# Altium PCB MotherBoardPCB.PcbDoc
Units mil, origin at the board's own origin, x right, y up, seen from the top; angles counter-clockwise.
Board outline 6324.22 x 4685 mil, 2 copper layers (Top Layer, Bottom Layer); 31 components, 33 nets, 183 pads, 29 vias.
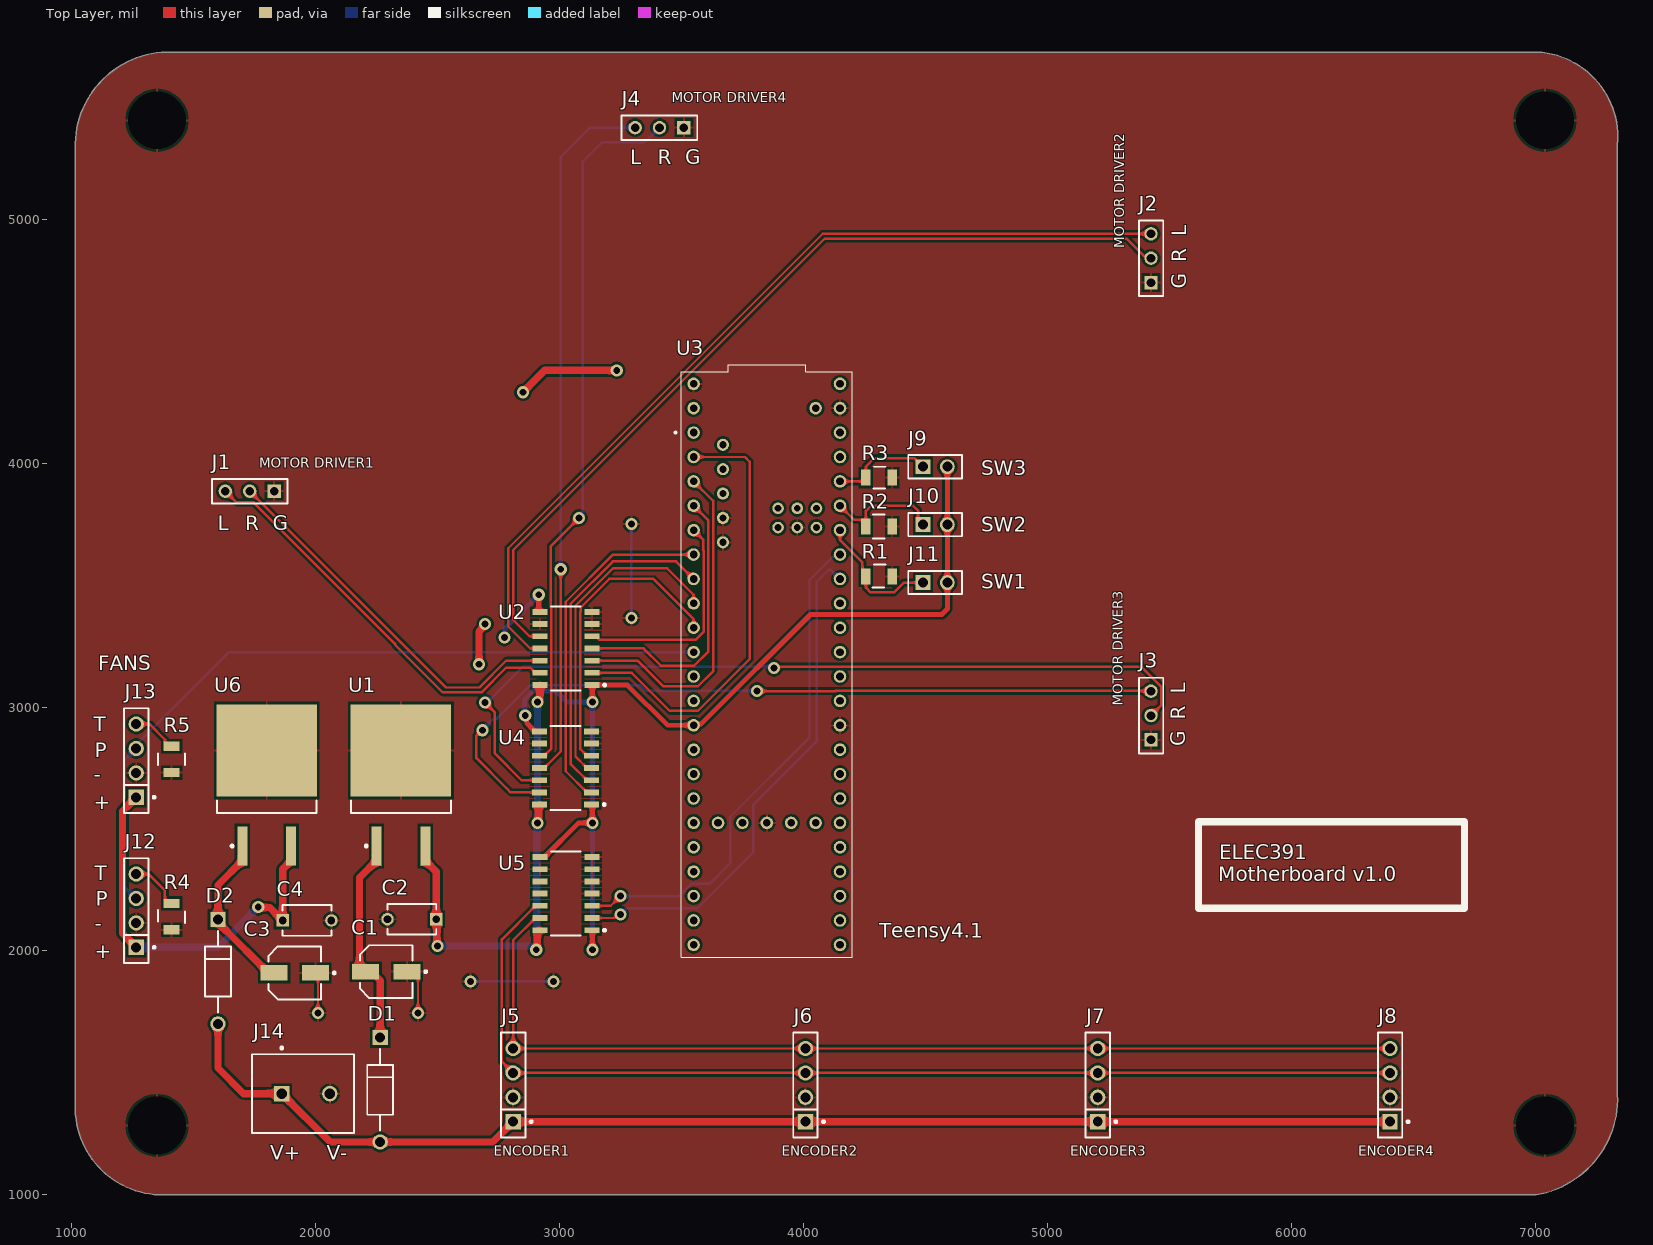
[diagram p0: Top Layer view]
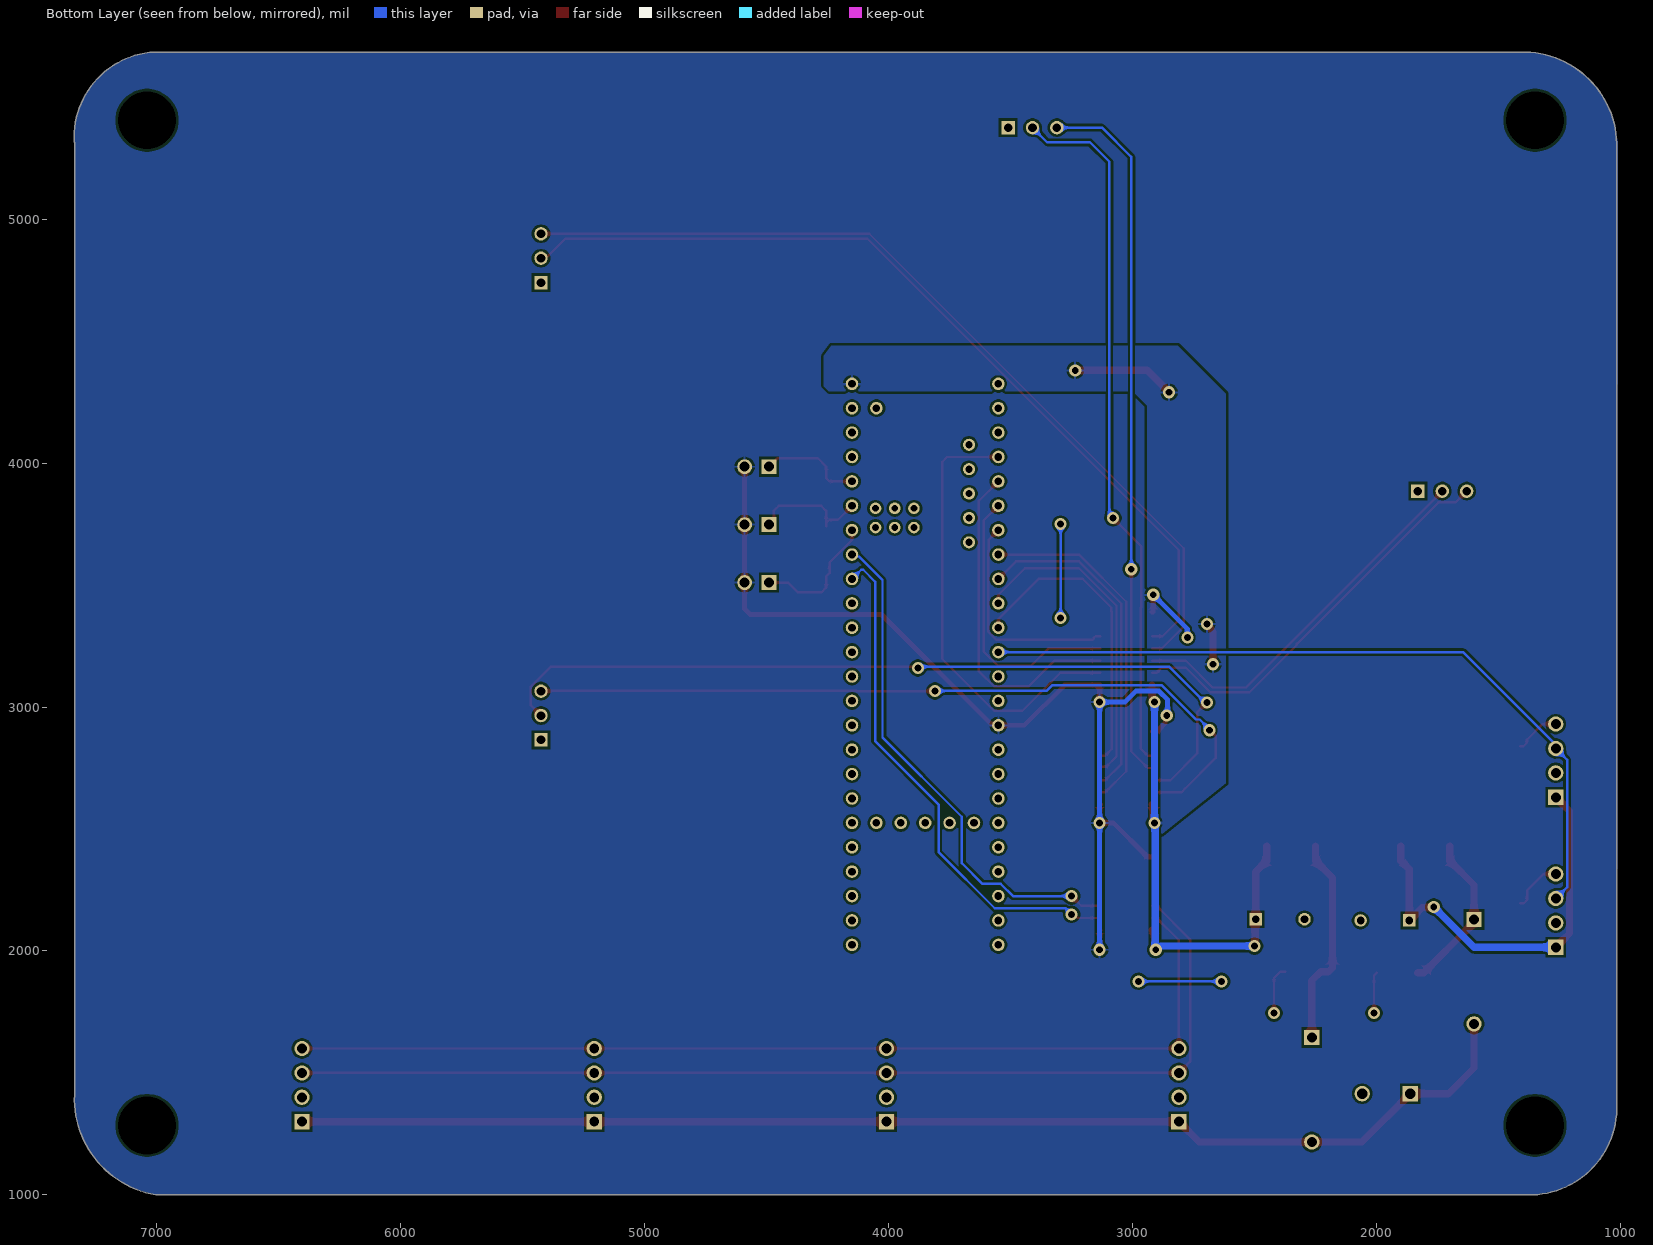
[diagram p1: Bottom Layer view, seen from below]
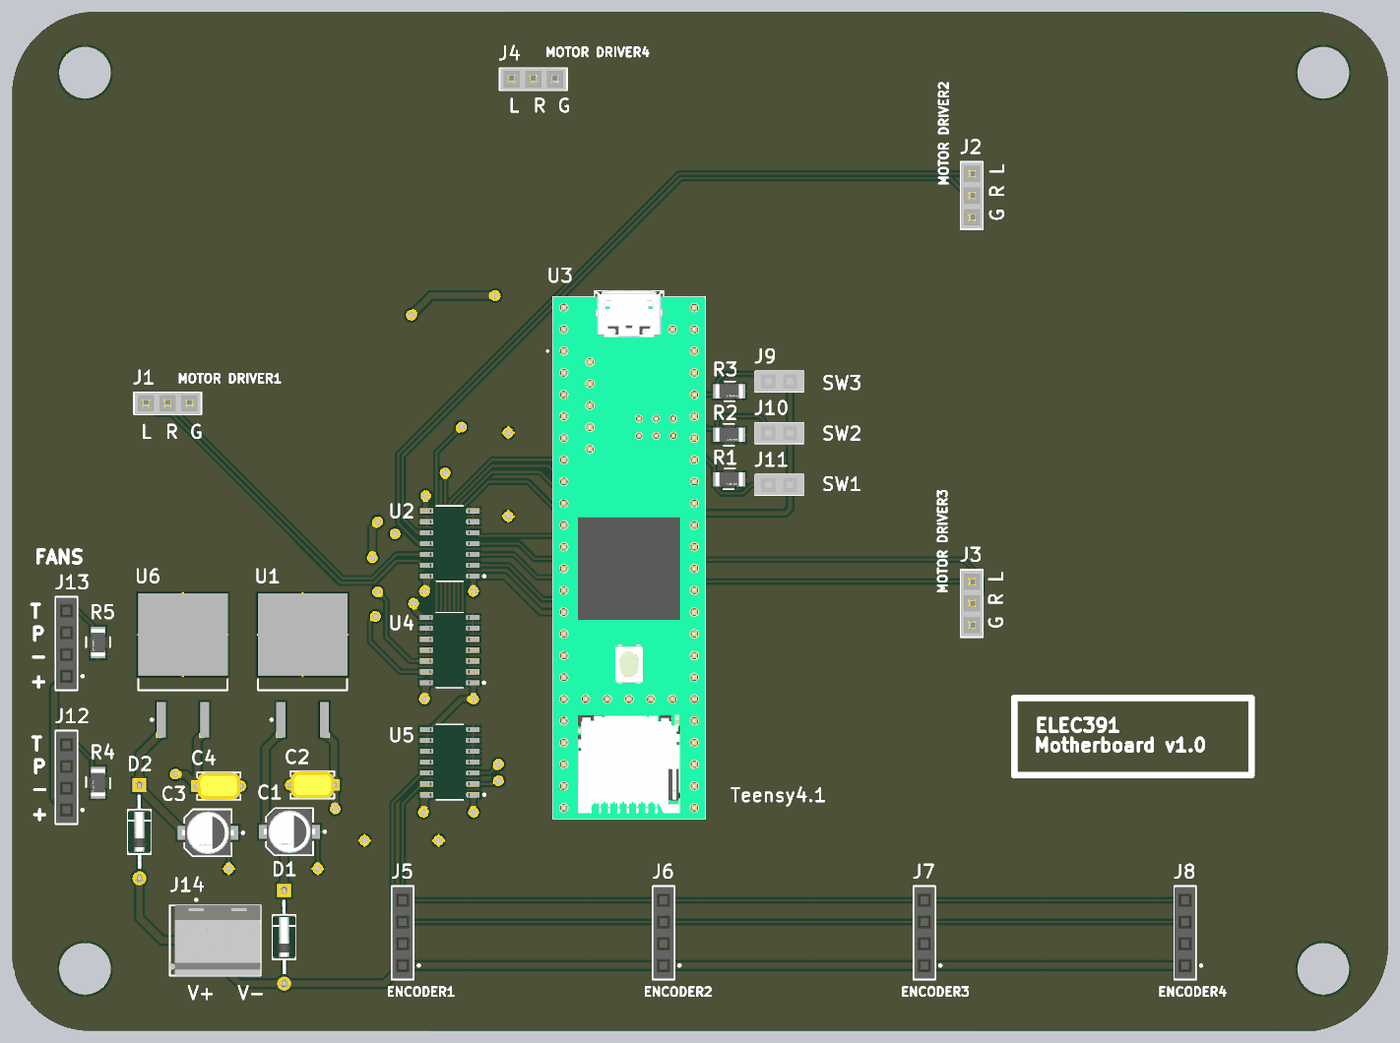
[diagram p2: 3D render of the assembled board from above, using the file's embedded part models]

## Layer stack, top to bottom
Top Solder: solder mask 0.4, Solder Resist, Dk 3.5
Top Layer: signal copper 1.4
Dielectric 1: dielectric 12.6, FR-4, Dk 4.8
Bottom Layer: signal copper 1.4
Bottom Solder: solder mask 0.4, Solder Resist, Dk 3.5

## Board outline
1015,1350 ccw(c1372.5,1357.5) 1380,1000 7003.3,1000.27 ccw(c6937.29,1395.08) 7337.31,1409.98 7337.31,5315 7338.65,5315 ccw(c6988.65,5335) 7008.65,5685 1410,5685 ccw(c1400,5300) 1015,5310

## Design rules (kind name [scope] priority, off if disabled: settings)
Clearance [All] p1: gap=10 ignorepadtopadclearanceinfootprint=FALSE except(0: Arc-Hole Track-Hole SMDPad-Hole THPad-Hole Via-Hole Fill-Hole Poly-Hole Region-Hole Text-Hole)
HoleSize [All] p1: absolutevalues=TRUE maxlimit=500 minlimit=1 maxpercent=80.000 minpercent=20.000
PolygonConnect [All] p1: connectstyle=Relief reliefconductorwidth=10 reliefentries=4 polygonreliefangle="90 Angle" airgapwidth=10
RoutingVias [All] p1: holewidth=28 width=50 viastyle="Through Hole" minholewidth=28 minwidth=50 maxholewidth=28 maxwidth=50
SolderMaskExpansion [All] p1: expansion=4 istentingtop=FALSE
Width Width_1 [InNet('3V3')] p1: maxlimit=50 minlimit=10 preferedwidth=20
Width Width_130milRule [(InNet('Vin') OR InNet('NetC3_2') OR InNet('NetC1_2') OR InNet('5Vin') OR InNet('12Vin'))] p2: maxlimit=100 minlimit=10 preferedwidth=30 minimp=50.000000 maximp=50.000000 favimp=50.000000
Width [All] p3: maxlimit=10 minlimit=10 preferedwidth=10
29 further rules are at their usual default settings.

## Components (designator, comment, footprint, x,y, rotation, side; value= is the part's Value field where it differs from the comment)
C1 "10uF" FP-FKC-MFG 2290,1915 r180 top
C2 "0.1uF" FP-C322C104K5R5TA-MFG 2395,2130 r180 top
C3 "10uF" FP-FKC-MFG 1915,1910 r180 top
C4 "0.1uF" FP-C322C104K5R5TA-MFG 1965,2125 r0 top
D1 "Diode" FP-UF4007-MFG 2265,1430.91 r270 top value=17pF
D2 "Diode" FP-UF4007-MFG 1600,1915 r270 top value=17pF
J1 "Motor1" SMTC-BCS-103-X-S-TE 1830,3885 r180 top
J2 "Motor2" SMTC-BCS-103-X-S-TE 5425,4740 r90 top
J3 "Motor3" SMTC-BCS-103-X-S-TE 5425,2865 r90 top
J4 "Motor4" SMTC-BCS-103-X-S-TE 3510,5375 r180 top
J5 "Encoder1" FP-SSW-104-01-G-S-003-MFG 2810,1450 r90 top
J6 "Encoder2" FP-SSW-104-01-G-S-003-MFG 4008.33,1450 r90 top
J7 "Encoder3" FP-SSW-104-01-G-S-003-MFG 5206.67,1450 r90 top
J8 "Encoder4" FP-SSW-104-01-G-S-003-MFG 6405,1450 r90 top
J9 "LimitSwitch3" SMTC-SSW-102-02-X-S 4490,3985 r0 top
J10 "LimitSwitch2" SMTC-SSW-102-02-X-S 4490,3747.5 r0 top
J11 "LimitSwitch1" SMTC-SSW-102-02-X-S 4490,3510 r0 top
J12 "Fan1" FP-SSW-104-01-G-S-003-MFG 1265,2165 r90 top
J13 "Fan2" FP-SSW-104-01-G-S-003-MFG 1265,2780 r90 top
J14 "282836-2" TECO-282836-2_V 1960,1415 r0 top
R1 "10K" FP-RC3216-IPC_C 4310,3535 r0 top
R2 "10K" FP-RC3216-IPC_C 4310,3740 r0 top
R3 "10K" FP-RC3216-IPC_C 4310,3940 r0 top
R4 "10K" FP-RC3216-IPC_C 1410,2140.84 r270 top
R5 "10K" FP-RC3216-IPC_C 1410,2785 r270 top
U1 "L7805" TO-263_M 2350,2680 r90 top
U2 "TXB0104DR" FP-D0014A-MFG 3026.3,3240 r180 top
U3 "Teensy 4.1" MODULE_DEV-16771 3850,3175 r270 top
U4 "TXB0104DR" FP-D0014A-MFG 3025,2750 r180 top
U5 "TXB0104DR" FP-D0014A-MFG 3026.3,2235 r180 top
U6 "L7812ACD2T-TR" TO-263_M 1800,2680 r90 top

## Footprints (in the part's own frame and the unit in brackets; to place one, negate y for a bottom-side part, rotate by r counter-clockwise, add the part's x,y. Pads: shape width x height; smd on the part's side, far side on the other; paste and mask are expansions set on the pad)
FP-C322C104K5R5TA-MFG [mm]
  rect 1.3x1.3 hole 0.8 paste-1000 mask+0: 1(-2.54,0)
  round 1.3 hole 0.8 paste-1000 mask+0: 2(2.54,0)
  silkscreen extent -2.54,-1.59 2.54,1.59, body extent -3.29,-1.69 3.29,1.69, height 0.25
FP-D0014A-MFG [mm]
  rect 1.55x0.6 smd paste-1000 mask+0: 1(-2.7,3.81) 2(-2.7,2.54) 3(-2.7,1.27) 4(-2.7,0) 5(-2.7,-1.27) 6(-2.7,-2.54) 7(-2.7,-3.81) 8(2.7,-3.81) 9(2.7,-2.54) 10(2.7,-1.27) 11(2.7,0) 12(2.7,1.27) 13(2.7,2.54) 14(2.7,3.81)
  silkscreen extent -4.15,-4.38 1.55,4.38, body extent -3.57,-4.62 3.57,4.62, height 0.25
FP-FKC-MFG [mm]
  rect 2.8x1.6 smd paste+0 mask+0: 1(-2.15,0) 2(2.15,0)
  silkscreen extent -4.23,-2.75 2.75,2.75, body extent -3.8,-3 3.8,3, height 0.25
FP-RC3216-IPC_C [mil]
  rect 37.59x65.28 smd paste+0 mask+0: 1(-54.16,0) 2(54.16,0)
  silkscreen extent -27,-45 27,50, body extent -77,-38 77,38, height 10
FP-SSW-104-01-G-S-003-MFG [mm]
  rect 1.59x1.59 hole 1.04 paste-1000 mask+0: 1(-3.81,0)
  round 1.59 hole 1.04 paste-1000 mask+0: 2(-1.27,0) 3(1.27,0) 4(3.81,0)
  silkscreen extent -5.46,-2 5.46,1.27, body extent -5.56,-1.37 5.56,1.37, height 0.25
FP-UF4007-MFG [mm]
  rect 1.6x1.6 hole 1.05 paste-1000 mask+0: 1(-5.438,0)
  round 1.6 hole 1.05 paste-1000 mask+0: 2(5.438,0)
  silkscreen extent -4.24,-1.35 4.24,1.35, body extent -6.34,-1.45 6.34,1.45, height 0.25
MODULE_DEV-16771 [mm]
  round 1.308 hole 0.8: 0(-26.67,-7.62) 1(-24.13,-7.62) 2(-21.59,-7.62) 3(-19.05,-7.62) 3.3V_1(6.35,-7.62) 3.3V_2(-24.13,7.62) 3.3V_3(16.51,-2.54) 4(-16.51,-7.62) 5(-13.97,-7.62) 6(-11.43,-7.62) 7(-8.89,-7.62) 8(-6.35,-7.62) 9(-3.81,-7.62) 10(-1.27,-7.62) 11(1.27,-7.62) 12(3.81,-7.62) 13(3.81,7.62) 14(1.27,7.62) 15(-1.27,7.62) 16(-3.81,7.62) 17(-6.35,7.62) 18(-8.89,7.62) 19(-11.43,7.62) 20(-13.97,7.62) 21(-16.51,7.62) 22(-19.05,7.62) 23(-21.59,7.62) 24(8.89,-7.62) 25(11.43,-7.62) 26(13.97,-7.62) 27(16.51,-7.62) 28(19.05,-7.62) 29(21.59,-7.62) 30(24.13,-7.62) 31(26.67,-7.62) 32(29.21,-7.62) 33(29.21,7.62) 34(26.67,7.62) 35(24.13,7.62) 36(21.59,7.62) 37(19.05,7.62) 38(16.51,7.62) 39(13.97,7.62) 40(11.43,7.62) 41(8.89,7.62) GND1(-29.21,-7.62) GND2(6.35,7.62) GND3(-26.67,7.62) GND4(16.51,0) ON/OFF(16.51,5.08) PROGRAM(16.51,2.54) VBAT(16.51,-5.08) VIN(-29.21,7.62) VUSB(-26.67,5.08)
  round 1.258 hole 0.75: 5V(-22.86,-4.57) D+(-17.78,-4.57) D-(-20.32,-4.57) USB_GND1(-15.24,-4.57) USB_GND2(-12.7,-4.57)
  round 1.208 hole 0.7: GND5(-14.24,3.17) LED(-16.24,3.17) R+(-16.24,5.17) R-(-14.24,5.17) T+(-14.24,1.17) T-(-16.24,1.17)
  silkscreen extent -31.18,-9.6 30.48,8.89, body extent -31.18,-8.89 30.48,8.89, height 7.15
SMTC-BCS-103-X-S-TE [mm] "Box Connector Socket Strip, 1x3 Pins, Vertical, 2.54mm Pitch, Female"
  rect 1.4x1.4 hole 0.89: 1(0,0)
  round 1.4 hole 0.89: 2(2.54,0) 3(5.08,0)
  silkscreen extent -1.4,-1.27 6.48,1.27, body extent -1.27,-1.27 6.35,1.27, height 7.37
SMTC-SSW-102-02-X-S [mm] "SQ Post Socket, 1x2 Pins, Vertical, 2.54mm Pitch, Female"
  rect 1.55x1.55 hole 1.04: 1(0,0)
  round 1.55 hole 1.04: 2(2.54,0)
  silkscreen extent -1.53,-1.2 4.07,1.2, body extent -1.52,-1.21 4.06,1.21, height 8.51
TECO-282836-2_V [mm] "Female Header, Pitch 5mm, 1 x 2 Position, Height 10mm"
  rect 1.6x1.6 hole 1.1: 1(-2.5,0)
  round 1.6 hole 1.1: 2(2.5,0)
  silkscreen extent -5.6,-4.1 5,4.87, body extent -5.6,-4.1 5,4.1, height 10
TO-263_M [mm] "D2-PAK, 4-Leads, Body 9.2x10.2mm, Pitch 2.54mm, Lead Span 15.4mm, IPC Low Density"
  rect 4.1x1.05 smd: 1(-6.35,2.54) 3(-6.35,-2.54)
  rect 9.6x10.45 smd: 4(3.6,0)
  silkscreen extent -6.47,-5.2 -1.6,5.2, body extent -2.9,-5.2 6.45,5.2, height 4.6

## Part data
C1 C3: library part CMP-05427-000030-1, "CAP ALUM 10UF 20% 50V SMD", Case/Package=Radial, Dielectric Material=Aluminium, ESR (Equivalent Series Resistance)=1.52R, Leakage Current=3uA, Max Operating Temperature=105°C, Min Operating Temperature=-55°C, Package Quantity=1000, Ripple Current=85mA, Tolerance=20%, Voltage=50V, Capacitance=10uF, Construction=Cylindrical, Contact Plating=Tin, Diameter=5mm, Height=5.8mm, Height - Seated (Max)=0.228inch, Impedance=1.52R, Lead Free="Lead Free", Length=5.8mm, Life (Hours)=2000Hour, Material=Aluminium, Mount="Surface Mount", Number of Pins=2, Packaging="Tape and Reel", Radiation Hardening=No, REACH SVHC="No SVHC", Ripple Current (AC)=85mA, RoHS Compliant=Yes, Series=FK, Termination=SMD/SMT, Voltage Rating=50V, Voltage Rating (DC)=50V, Width=6.5mm
C2 C4: library part CMP-03020-034661-1, "CAP CER 0.1UF 50V X7R RADIAL", Capacitance=100nF, Case/Package=Radial, Dielectric=X7R, Dielectric Material=Ceramic, Max Operating Temperature=125°C, Min Operating Temperature=-55°C, Package Quantity=500, Tolerance=10%, Voltage=50V, Construction=RADIAL, Depth=3.18mm, Dissipation Factor=2.5%, Height=3.18mm, Height - Seated (Max)=0.26inch, Lead Diameter=0.51mm, Lead Free="Lead Free", Lead Length=7mm, Lead Pitch=5.08mm, Lead/Base Style="Formed Leads", Length=5.08mm, Material=Ceramic, Mount="Through Hole", Number of Pins=2, Packaging=Bulk, Radiation Hardening=No, REACH SVHC="No SVHC", RoHS Compliant=Yes, Series="Golden Max™", Termination=Radial, Voltage Rating=50V, Voltage Rating (DC)=50V, Weight=0.0625lb, Width=0.125inch
D1 D2: library part CMP-02540-000043-1, "DIODE GEN PURP 1KV 1A DO204AL", Capacitance=17pF, Forward Current=1A, Manufacturer=Vishay, Manufacturer Part Number=UF4007-E3/54, Max Junction Temp=+150°C, Max Repetitive Reverse Voltage=1000V, Max Surge Forward Current=30A, Package=UF4007, Peak Reverse Current=10uA, Temperature="-55°C to +150°C", Temperature Range Low=-55°C, Automotive=No, Category=Diode, ComponentLink2Description=Datasheet, ComponentLink2URL=http://www.vishay.com/docs/88755/uf4001.pdf, Device Class L1="Discrete Semiconductors", Device Class L2=Diodes, Device Class L3="Rectifier Diodes", Digikey Description="DIODE GEN PURP 1KV 1A DO204AL", Height=2.7mm, Ipc Land Pattern Name=DIOPA1088W105L520D270, Lead Free=Yes, Mouser Description="Rectifiers Vr/1000V Io/1A", Octopart=https://octopart.com/uf4007-e3%2F54-vishay-42333894, RoHS=TRUE, Temperature Range High=+150°C
J1 J2 J3 J4: library part CMP-1023-00006-1, "Tiger Claw(TM) Pass-Through Socket, Vertical, -55 to 125 degC, 2.54 mm Pitch, 3-Pin, Female, RoHS", Manufacturer=Samtec, PartNumber=BCS-103-F-S-TE, Temperature Range="-55 to 125 degC", ComponentLink1Description="Manufacturer URL", ComponentLink1URL=http://www.samtec.com, ComponentLink2Description=Datasheet, ComponentLink2URL=http://www.samtec.com/documents/webfiles/pdf/BCS.PDF, ComponentLink3Description="Package Specification", ComponentLink3URL=http://www.samtec.com/documents/webfiles/cpdf/BCS-1XX-XXX-X-XX-XXX-MKT.pdf, DatasheetVersion=F-214, Mounting Technology=Through-hole, Orientation=Vertical, PackageDescription="Box Connector Socket Strip", PackageReference=BCS-103-X-S-TE, PackageVersion="BV, 9/1991", Pitch="2.54 mm", RoHS=True
J5 J6 J7 J8 J12 J13: library part CMP-02766-000072-1, "CONN RCPT 4POS 0.1 GOLD PCB", Current Rating=4.7A, Manufacturer=Samtec, Manufacturer Part Number=SSW-104-01-G-S-003, Package=0, Temperature="-55°C to +125°C", Temperature Range High=+125°C, Temperature Range Low=-55°C, Voltage Rating=655V, Automotive=No, Category=Conn, ComponentLink2Description=Datasheet, ComponentLink2URL=http://suddendocs.samtec.com/catalog_english/ssw_th.pdf, Conn Gender=Female, Conn Orientation=Vertical, Contact Material=Gold,Nickel, Device Class L1=Connectors, Device Class L2="Headers and Wire Housings", Device Class L3=unset, Digikey Description="CONN RCPT 4POS 0.1 GOLD PCB", Footprint Url=http://suddendocs.samtec.com/prints/ssw-s.pdf, Height=8.64mm, Is Female=yes, Lead Free=Yes, Number of Contacts=4, Number of Rows=1, Octopart=https://octopart.com/ssw-104-01-g-s-003-samtec-17456976, Pitch=2.54mm, RoHS=TRUE
J9 J10 J11: library part CMP-1023-00323-1, "SQ Post Socket, Through-hole, Vertical, -55 to 105 degC, 2.54 mm Pitch, 2-Pin, Female, RoHS", Manufacturer=Samtec, PartNumber=SSW-102-02-T-S, Temperature Range="-55 to 105 degC", ComponentLink1Description="Manufacturer URL", ComponentLink1URL=http://www.samtec.com, ComponentLink2Description=Datasheet, ComponentLink2URL=http://www.samtec.com/documents/webfiles/pdf/SSW_TH.PDF, ComponentLink3Description="Package Specification", ComponentLink3URL=http://www.samtec.com/documents/webfiles/cpdf/SSW-1XX-XX-XXX-X-XX-XXX-XX-MKT.pdf, DatasheetVersion=F-214, Mounting Technology=Through-hole, Orientation=Vertical, PackageDescription="Assembly, Socket Strip .016 X .031 Tail", PackageReference=SSW-102-02-X-S, PackageVersion="CA, 6/1987", Pitch="2.54 mm", RoHS=True
J14: library part CMP-1684-00017-1, "Female Header, Pitch 5 mm, 1 x 2 Position, Height 10 mm, Tail Length 3.5 mm, Rohs, Bulk", Color=Green, Current=13.5A, Manufacturer="TE Connectivity", Package Description="Female Header, Pitch 5 mm, 1 x 2 Position, Height 10 mm, Tail Length 3.5 mm", Package Reference=THD, Standard Package=300, Voltage=300V, 3D Model=282836-2.pdf, Category=Connectors,Interconnects, Clamp Material - Plating=Brass-NickelPlated, Contact Material - Plating=Brass-TinPlated, Datasheet URL=http://www.te.com.cn/commerce/DocumentDelivery/DDEController?Action=showdoc&DocId=Catalog+Section%7F1308389_EUROSTYLE_TERMINAL_BLOCKS%7F0607%7Fpdf%7FEnglish%7FENG_CS_1308389_EUROSTYLE_TERMINAL_BLOCKS_0607.pdf%7F282836-2, Dynamic Catalog=BuchananSeries, Family=TerminalBlocks-WiretoBoard, Featured Product=EurostyleTerminalBlockConnectors, Features=Interlocking(Side), Housing Material=Polyamide(PA66),Nylon6/6, Manufacturer URL=http://www.te.com, Mating Orientation=HorizontalwithBoard, Mounting Type=ThroughHole, Number of Levels=1, Other Names="5ULV-02B / A98076", Packaging=Bulk, Pitch="0.197\"(5.00mm)", Positions Per Level=2, Product Training Modules=Wire-to-BoardEurostyleTerminalBlocks, RoHS Information=282836-2StatementofCompliance, Screw Material - Plating=Brass-NickelPlated, Screw Thread=M3, Series=Buchanan, Torque - Screw=0.68Nm(6Lb-In), Wire Gauge=16-30AWG, Wire Termination=Screw-RisingCageClamp
R1 R2 R3 R4 R5: library part CMP-13261-005388-1, "Res Thick Film 1206 10kΩ 5% 0.25W ±100ppm/°C Molded SMD T/R", Case Code (Imperial)=1206, Case Code (Metric)=3216, Max Operating Temperature=155°C, Max Power Dissipation=250mW, Min Operating Temperature=-55°C, Resistance=10kR, Temperature Coefficient=100ppm/°C, Tolerance=5%, Voltage Rating (DC)=200V, Case/Package=1206, Composition="Thick Film", Contact Plating=Tin, Depth=1.6mm, Features="Moisture Resistant", Height=0.026inch, Lead Free="Lead Free", Length=0.126inch, Military Standard=Not, Number of Terminations=2, Packaging="Tape and Reel", Radiation Hardening=No, Width=0.063inch
U1: library part CMP-0244-00213-1, "Positive Voltage Regulator, 3-Pin D2PAK, Tape and Reel", ComponentLink1Description="Manufacturer URL", ComponentLink1URL=http://www.st.com, ComponentLink2Description=Datasheet, ComponentLink2URL=http://www.st.com/internet/com/TECHNICAL_RESOURCES/TECHNICAL_LITERATURE/DATASHEET/CD00000444.pdf, DatasheetVersion=16/11/2011, PackageDescription="3-Pin Transistor Outline Package 2.54 mm Pitch, 15.4 mm Lead Span (D2PAK)", PackageReference=TO-263, PackageVersion=2011
U2 U4 U5: library part CMP-04899-000021-1, "IC TRNSLTR BIDIRECTIONAL 14SOIC", Ambient Temperature Range High=+85°C, Ambient Temperature Range Low=-40°C, Manufacturer="Texas Instruments", Max Junction Temp=+150°C, Max Supply Voltage=5.5V, Min Supply Voltage=1.2V, Nominal Supply Current=3.5uA, Package=D0014A, Temperature="-40°C to +85°C", Automotive=No, Category=IC, ComponentLink2Description=Datasheet, ComponentLink2URL=http://www.ti.com/lit/ds/symlink/txb0104.pdf, Data Rate=100Mbits/s, Device Class L1="Integrated Circuits (ICs)", Device Class L2="Logic ICs", Device Class L3="Voltage Level Shifters", Digikey Description="IC TRNSLTR BIDIRECTIONAL 14SOIC", Height=1.75mm, Lead Free=Yes, Manufacturer Part Number=TXB0104DR, Mouser Description="Translation - Voltage Levels 4-Bit Bi-directional V-Level Translator", Number Of Circuits=4, Number Of Inputs=1, Number Of Outputs=1, Octopart=https://octopart.com/txb0104dr-texas+instruments-5447502, Propagation Delay=4ns, RoHS=TRUE, Standoff Height=0.1mm, Temperature Range High=+85°C, Temperature Range Low=-40°C, V A Max=3.6V, V A Min=1.2V, V B Max=5.5V, V B Min=1.65V
U3: library part DEV-16771, "RT1062 Teensy 4.1 i.MX ARM Cortex-M7 MPU Embedded Evaluation Board", Package=None, Availability=Unavailable, MF="{'manufacturer': u'SparkFun Electronics'}", MP=DEV-16771, Price=None
U6: library part CMP-0244-00180-1, "Positive Voltage Regulator, 3-Pin D2PAK, Tape and Reel", ComponentLink1Description="Manufacturer URL", ComponentLink1URL=http://www.st.com, ComponentLink2Description=Datasheet, ComponentLink2URL=http://www.st.com/internet/com/TECHNICAL_RESOURCES/TECHNICAL_LITERATURE/DATASHEET/CD00000444.pdf, DatasheetVersion=16/11/2011, PackageDescription="3-Pin Transistor Outline Package 2.54 mm Pitch, 15.4 mm Lead Span (D2PAK)", PackageReference=TO-263, PackageVersion=2011

## Free pads (board coordinates)
  round 60 hole 237: 2(1350,1285) 2(1350,5405) 2(7040,1285) 2(7040,5405)

## Via types
v1: diameter 50, hole 28, Top Layer to Bottom Layer, 29 vias

## Nets (pads, with @x,y where several pads share a name; then routed paths per layer and width w, separated by ;. In a path a pad name is that pad's centre, name@x,y a point inside that pad or via, vN(x,y) a via of type N, cw(c..) or ccw(c..) an arc to the next point about the centre after c; other vN are vias at no path point)
3V3: J9.2 J10.2 J11.2 U2.1 U2.8 U3.3.3V_1 U4.1 U4.8 U5.1 U5.8 | length 4614.7
  Top Layer w20: v1(2860,2965) 2865.74,2959.26 2865.74,2934.26 2900,2900 U4.8 ; U5.8@2915,2385 U5.8 2938.7,2385 3078.7,2525 v1(3135,2525) 3135,2598.19 3133.19,2600 U4.1 ; v1(2915,3460) 2915,3391.81 2916.81,3390 U2.8 ; U5.1 3133.19,2085 3135,2083.19 v1(3135,2005) ; U2.1 U2.1@3133.19,3090 ; v1(3135,3020) 3135,3088.19 U2.1@3133.19,3090 ; J9.2 J10.2 J11.2 4590,3401.72 4567.54,3379.25 4029.25,3379.25 3581.03,2931.03 3556.03,2931.03 U3.3.3V_1 3443.24,2925 3278.24,3090 U2.1@3133.19,3090
  Bottom Layer w20: v1(2775,3285) 2775,3320 v1(2915,3460) ; v1(2860,2965) 2856.36,2968.64 2856.36,3030 2891.36,3065 2986.62,3065 3031.62,3020 v1(3135,3020) v1(3135,2525) v1(3135,2005)
5Vin: C2.1 U1.3 U2.14 U3.VIN U4.14 U5.14 | length 2678.5
  Top Layer w30: U1.3 2450,2369.96 2495,2324.96 C2.1 2497.5,2127.5 2497.5,2022.5 v1(2500,2020) ; v1(2670,3175) 2670,3309.59 2695,3334.59 v1(2695,3340) ; v1(2850,4290) 2940,4380 v1(3235,4380) ; v1(2905,2005) 2908.83,2008.83 2908.83,2081.81 2912.02,2085 U5.14 ; v1(2910,2525) 2910,2530 2913.83,2533.83 2913.83,2596.81 2917.02,2600 U4.14 ; v1(2910,3020) 2910,3025.41 2920,3035.41 U2.14
  Bottom Layer w30: v1(2500,2020) 2884.59,2020 ; v1(2905,2005) 2902.29,2005 2907.5,2010.21 2907.5,2522.5 v1(2910,2525) v1(2910,3020)
12Vin: C4.1 J12.1 J13.1 U6.3 | length 1672.3
  Top Layer w30: J12.1 1208.7,2071.3 1208.7,2573.7 J13.1 ; v1(1765,2180) 1766.98,2178.02 1811.98,2178.02 C4.1 1865,2334.96 1900,2369.96 U6.3
  Bottom Layer w30: J12.1 1600,2015 v1(1765,2180)
FanPWM: J12.3 J13.3 U3.10 | length 3110.8
  Bottom Layer w10: J12.3 1218.7,2261.3 1218.7,2783.7 J13.3 1265,2844.23 1280.24,2859.47 1280.24,2860.24 1645,3225 U3.10
GND: C1.1 C2.2 C3.1 C4.2 J1.1 J2.1 J3.1 J4.1 J5.2 J6.2 J7.2 J8.2 J12.2 J13.2 J14.2 pad.2 R1.2 R2.2 R3.2 R4.2 R5.2 U1.4 U2.6 U2.7 U2.9 U3.GND1 U3.GND2 U3.GND3 U3.GND4 U3.GND5 U3.USB_GND1 U3.USB_GND2 U4.6 U4.7 U4.9 U5.4 U5.5 U5.6 U5.7 U5.9 U6.4 | length 1094.1
  Top Layer w10: C3.1 2010,1899.65 v1(2010,1745) ; C1.1 2393.5,1915 2420,1888.5 v1(2420,1745)
  Bottom Layer w10: v1(2635,1875) v1(2975,1875) ; v1(3295,3365) v1(3295,3750)
M1Lin: U2.2 U3.2 | length 1846.1
  Top Layer w10: U2.2 3296.48,3140 3452.23,2984.25 3566.88,2984.25 3780,3197.37 3780,4005 3760,4025 U3.2
M1Lout: J1.3 U2.13 | length 1684.1
  Top Layer w10: J1.3 1676,3839 1746,3839 2326.32,3258.68 2326.32,3255.4 2521.72,3060 2680,3060 2780.95,3160.95 2880.35,3160.95 2901.3,3140 U2.13
M1Rin: U2.3 U3.3 | length 1378.7
  Top Layer w10: U2.3 3320.36,3190 3426.1,3084.25 3566.88,3084.25 3630.75,3148.12 3630.75,3658.1 3630.31,3658.53 3630.31,3844.69 U3.3
M1Rout: J1.2 U2.12 | length 1571.9
  Top Layer w10: J1.2 1730,3880 1735,3880 2535,3080 2671.72,3080 2781.72,3190 U2.12
M2Lin: U2.4 U3.4 | length 1153.3
  Top Layer w10: U2.4 3345,3240 3415,3170 3552.63,3170 3610.75,3228.12 3610.75,3649.81 3610.31,3650.25 3610.31,3764.69 U3.4
M2Lout: J2.3 U2.11 | length 3657.1
  Top Layer w10: U2.11 2880,3240 2790,3330 2790,3650.91 4079.09,4940 J2.3
M2Rin: U2.5 U3.5 | length 913
  Top Layer w10: U2.5 3151.3,3290 3158.11,3283.19 3158.11,3281.03 3163.97,3275.17 3557.8,3275.17 3590.75,3308.12 3590.75,3641.53 3590.31,3641.96 3590.31,3684.69 U3.5
M2Rout: J2.2 U2.10 | length 3600.1
  Top Layer w10: U2.10 2877.82,3290 2810,3357.82 2810,3642.63 4087.37,4920 5322.21,4920 5325.14,4920 5396.51,4848.63 5416.37,4848.63 J2.2
M3Lin: U3.6 U4.2 | length 1440.6
  Top Layer w10: U4.2 3112.6,2650 3025.79,2736.81 3025.79,3431.58 3219.21,3625 U3.6
M3Lout: J3.3 U4.13 | length 3284.2
  Top Layer w10: v1(2685,2905) 2682.19,2905 2659.45,2882.26 2659.45,2790.55 2785.94,2664.06 2799.89,2650.11 2818.64,2650.11 2818.75,2650 U4.13 ; v1(3810,3065.75) 3805.75,3065.75 3805,3065 4132.37,3065 4133.12,3065.75 5424.25,3065.75 J3.3
  Bottom Layer w10: v1(2685,2905) 2685,2909.18 2724.64,2948.82 2739.82,2948.82 2881.01,3090 3327.96,3090 3352.22,3065.75 v1(3810,3065.75)
M3Rin: U3.7 U4.3 | length 1375.4
  Top Layer w10: U4.3 3112.6,2700 3045.79,2766.81 3045.79,3423.29 3219.21,3596.72 3478.28,3596.72 U3.7
M3Rout: J3.2 U4.12 | length 3462.7
  Top Layer w10: v1(2694.71,3018.48) 2735,2978.18 2735,2810 2845,2700 U4.12 ; v1(3880,3160) 3900,3160 3905.75,3165.75 5384.44,3165.75 5467.56,3082.63 5467.56,3007.56 J3.2
  Bottom Layer w10: v1(2694.71,3018.48) 2703.48,3018.48 2850.75,3165.75 3874.25,3165.75 v1(3880,3160)
M4Lin: U3.8 U4.4 | length 1333.3
  Top Layer w10: U4.4 3131.3,2753.7 3130,2755 3107.6,2755 3065.79,2796.81 3065.79,3415.01 3219.68,3568.9 3441.1,3568.9 3550,3460 U3.8
M4Lout: J4.3 U4.11 | length 2911.9
  Top Layer w10: U4.11@2920,2745 2918.7,2746.3 U4.11 2937.4,2750 3005,2817.6 v1(3005,3565)
  Bottom Layer w10: v1(3005,3565) 3005,5255 3125,5375 J4.3
M4Rin: U3.9 U4.5 | length 1253.1
  Top Layer w10: U4.5 3112.6,2800 3085.79,2826.81 3085.79,3390.79 3087.09,3392.09 3087.09,3408.02 3204.06,3525 3385,3525 3549.46,3360.54 3549.46,3325.54 U3.9
M4Rout: J4.2 U4.10 | length 2892.4
  Top Layer w10: U4.10 2937.4,2800 2965.51,2828.11 2965.51,3408.02 2965,3408.54 2965,3660 v1(3080,3775)
  Bottom Layer w10: v1(3080,3775) 3080,3780 3095,3795 3095,5235 3175,5315 3350,5315 J4.2
NetC1_2: C1.2 D1.1 U1.1 | length 868.2
  Top Layer w30: U1.1 2250,2369.96 2180,2299.96 2180,1931.5 2196.5,1915 C1.2 2228.98,1915 2265,1878.98 D1.1
NetC3_2: C3.2 D2.1 U6.1 | length 670.7
  Top Layer w30: U6.1 1700,2369.96 1600,2269.96 D2.1 1616.5,2112.6 1616.5,2100.24 1806.73,1910 C3.2
NetJ12_4: J12.4 R4.1 | length 217.5
  Top Layer w10: J12.4 1315,2315 1382.36,2247.64 1382.36,2208.8 1396.16,2195 R4.1
NetJ13_4: J13.4 R5.1 | length 190
  Top Layer w10: J13.4 1319.16,2930 1383.67,2865.49 1383.67,2852.96 1397.47,2839.16 R5.1
SCL: J5.3 J6.3 J7.3 J8.3 U5.12 | length 4374.9
  Top Layer w10: U5.12 2901.3,2185 2763.7,2047.4 2763.7,1546.3 J5.3 J6.3 J7.3 J8.3
SCL3V3: U3.19 U5.3 | length 2103
  Top Layer w10: U5.3 3210,2185 v1(3250,2225)
  Bottom Layer w10: v1(3250,2225) 3490,2225 3540,2275 3615,2275 3700,2360 3700,2550 4025,2875 4025,3520 4122.06,3617.06 4142.06,3617.06 U3.19
SDA: J5.4 J6.4 J7.4 J8.4 U5.13 | length 4186.5
  Top Layer w10: U5.13 2901.3,2135 2810,2043.7 J5.4 J6.4 J7.4 J8.4
SDA3V3: U3.18 U5.2 | length 2121.4
  Top Layer w10: U5.2 3224.18,2135 3239.18,2150 v1(3250,2150)
  Bottom Layer w10: v1(3250,2150) 3275,2175 3565,2175 3795,2405 3795,2600 4055,2860 4055,3513.57 4104.07,3562.64 4112.36,3562.64 U3.18
SW1: J11.1 R1.1 U3.20 | length 538.3
  Top Layer w10: U3.20 4150,3684.23 4242.04,3592.18 4242.04,3548.8 R1.1 4255.84,3489.16 4275,3470 4371.81,3470 4411.81,3510 J11.1
SW2: J10.1 R2.1 U3.21 | length 496.3
  Top Layer w10: U3.21 4207.36,3767.64 4242.04,3767.64 R2.1@4255.84,3753.84 ; R2.1 R2.1@4255.84,3753.84 ; J10.1 4470,3767.5 4470,3805 4450,3825 4276.68,3825 4255.84,3804.16 R2.1@4255.84,3753.84
SW3: J9.1 R3.1 U3.22 | length 421.4
  Top Layer w10: U3.22 4242.04,3925 4255.84,3938.8 R3.1 4255.84,3985.84 4290,4020 4455,4020 J9.1
Vin: D1.2 D2.2 J5.1 J6.1 J7.1 J8.1 J14.1 | length 5145.9
  Top Layer w30: D2.2 1600,1520 1705,1415 J14.1 2059.76,1216.81 D1.2 2726.81,1216.81 J5.1 J6.1 J7.1 J8.1
pads on no net: U3.0 U3.1 U3.3.3V_2 U3.3.3V_3 U3.5V U3.11 U3.12 U3.13 U3.14 U3.15 U3.16 U3.17 U3.23 U3.24 U3.25 U3.26 U3.27 U3.28 U3.29 U3.30 U3.31 U3.32 U3.33 U3.34 U3.35 U3.36 U3.37 U3.38 U3.39 U3.40 U3.41 U3.D+ U3.D- U3.LED U3.ON/OFF U3.PROGRAM U3.R+ U3.R- U3.T+ U3.T- U3.VBAT U3.VUSB U5.10 U5.11

## Polygon pours and split planes (outlines as drawn)
GND on Top Layer "GND_L01_P001" (solid, pour order 1): 1015,5315 1026.21,5392.76 1052.28,5465.57 1090.68,5529.45 1139.63,5583.78 1203.06,5630.97 1274.2,5664.01 1343,5680.89 1410,5685 7045.76,5680.89 7109.71,5664.01 7158.7,5641.57 7205.88,5610.16 7245.96,5573.1 7280.36,5529.45 7306.34,5483.24 7325.75,5431.25 7337.31,5371.61 7338.65,1473.65 7337.31,1380.19 7324.88,1295.03 7296.76,1218.96 7245.96,1140.22 7170.62,1069.83 7082.48,1022.05 7027.12,1005 6977.21,1005 6870,1005 1343,1000 1274.2,1013.7 1211.88,1038.02 1160.11,1069.83 1111.39,1113.2 1074.29,1160.19 1042.85,1218.96 1024.76,1274.21 1015,1330
3V3 on Bottom Layer "3V3_L02_P002" (solid, pour order 2): 1010,5315 1025.97,5391.81 1048.81,5458.1 1089.13,5527.35 1143.3,5587.11 1202.51,5630.64 1269.7,5662.42 1333.22,5679.3 1410,5685 7021.3,5685 7083.4,5672.52 7140.72,5650.87 7195.29,5618.2 7240.74,5578.63 7280.34,5529.47 7310.25,5474.55 7329.51,5416.95 7338.65,5355 7337.31,1380.19 7329.51,1315.1 7314.01,1259.74 7288.75,1203.47 7250.72,1146.09 7199.58,1092.7 7140.72,1050.33 7072.63,1018.36 7003.57,1000 1356.72,1000.27 1269.7,1015.02 1202.51,1042.91 1147.15,1079.86 1102.94,1122.56 1066.99,1171.69 1038.14,1230.75 1022.65,1283.54 1015,1341.99
5Vin on Bottom Layer "5VIN_L02_P000" (solid, pour order 0): 2945,3050 2940,3055 2940,4235 3000,4295 4245,4295 4265,4315 4265,4440 4235,4481.01 2813.99,4481.01 2617.5,4284.51 2617.5,2687.5 2940,2430.63 2945,2360

## Silkscreen, mask and mechanical layers (free items; w line width, h text height)
Top Overlay:
  lines w30: 5620,2175 6710,2175 6710,2530 5620,2530 5620,2175
  text "MOTOR DRIVER4" at 3460,5480 h40
  text "L" at 3290,5225 h60
  text "R" at 3402.5,5225 h60
  text "G" at 3515,5225 h60
  text "L" at 5570,4930 h60 r90
  text "MOTOR DRIVER2" at 5315,4880 h40 r90
  text "R" at 5570,4822.5 h60 r90
  text "G" at 5570,4715 h60 r90
  text "MOTOR DRIVER1" at 1770,3980 h40
  text "SW3" at 4730,3950 h60
  text "L" at 1600,3725 h60
  text "R" at 1712.5,3725 h60
  text "G" at 1825,3725 h60
  text "SW2" at 4730,3717.5 h60
  text "SW1" at 4730,3485 h60
  text "FANS" at 1110,3150 h60
  text "L" at 5565,3055 h60 r90
  text "MOTOR DRIVER3" at 5310,3005 h40 r90
  text "R" at 5565,2947.5 h60 r90
  text "T" at 1090,2900 h60
  text "G" at 5565,2840 h60 r90
  text "P" at 1095,2795 h60
  text "-" at 1090,2695.01 h60
  text "+" at 1090,2580 h60
  text "ELEC391" at 5705,2375 h60
  text "T" at 1095,2290 h60
  text "Motherboard v1.0" at 5700,2285 h60
  text "P" at 1100,2185 h60
  text "-" at 1095,2085.01 h60
  text "Teensy4.1" at 4310,2054.99 h60
  text "+" at 1095,1970 h60
  text "ENCODER1" at 2730,1160 h40
  text "ENCODER2" at 3911.67,1160 h40
  text "ENCODER3" at 5093.33,1160 h40
  text "ENCODER4" at 6275,1160 h40
  text "V+" at 1815,1145 h60
  text "V-" at 2045,1145 h60
Mechanical 1:
  lines w10: 7008.65,5685 cw(c6988.65,5335) 7338.65,5315 ; 7010,5685 1410,5685 ccw(c1400,5300) 1015,5310 1015,1350 ccw(c1372.5,1357.5) 1380,1000 7003.3,1000.27 ccw(c6937.29,1395.08) 7337.31,1409.98 7337.31,5315 7340,5315